# Altium PCB Archimajor.PcbDoc (part 12 of 13)
Units mil, origin at the board's own origin, x right, y up, seen from the top; angles counter-clockwise.
Board outline 7480.32 x 5511.81 mil, 6 copper layers (Top Layer, Top GND, Power Plane, Mid1, Bot GND, Bottom Layer), stack 69.913 mil thick; 1038 components, 682 nets, 3229 pads, 2870 vias.
Unrouted connection lines stored in the file: 97.
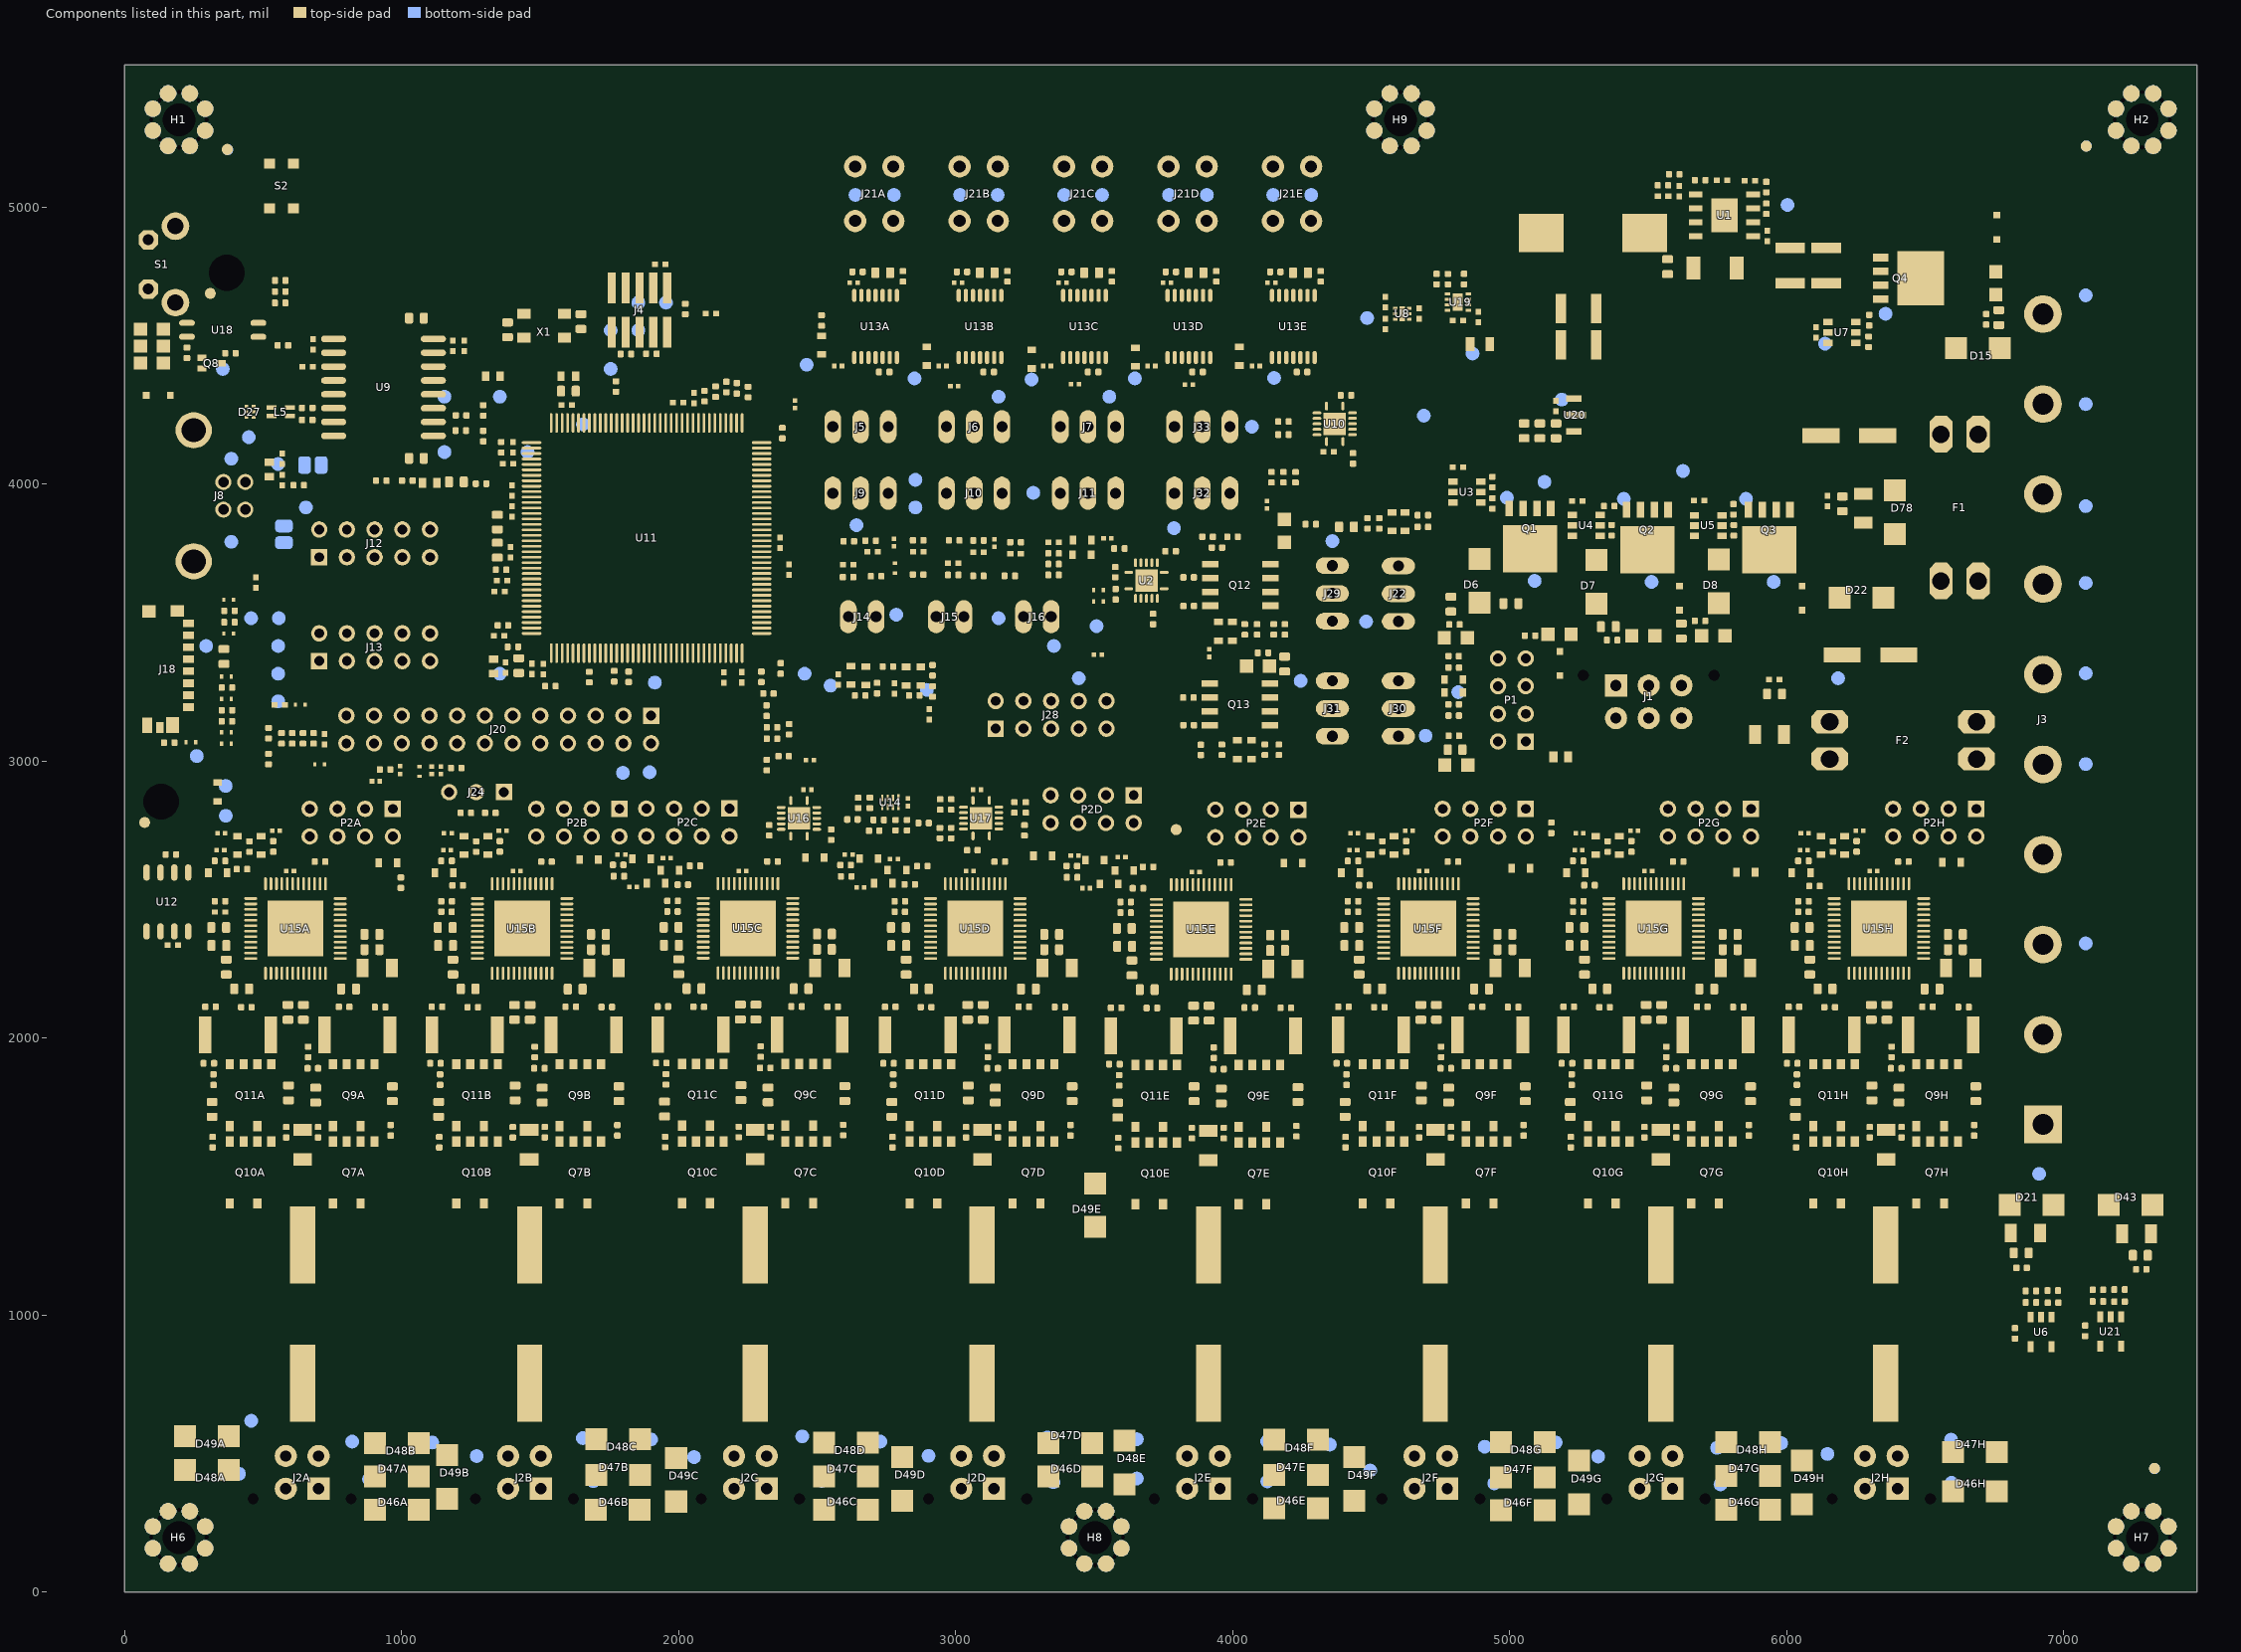
[diagram p16: the components of this part, seen from the top]

## Polygon pours and split planes (outlines as drawn) (continued)
GND on Top Layer "Direct Connect" (solid, remove dead copper, pour order 2436): 3877.01,1703.55 3877.01,1624.55 3886.03,1615.53 3935.99,1615.53 3948.01,1627.55 3948.01,1703.55 3917.01,1734.55 3908.01,1734.55
GND on Top Layer "Direct Connect" (solid, remove dead copper, pour order 2441): 608,1706.53 608,1627.53 617.02,1618.5 666.98,1618.5 679,1630.53 679,1706.53 648,1737.53 639,1737.53
GND on Top Layer "Direct Connect" (solid, remove dead copper, pour order 2433): 17 vertices, not listed, extent 573,1756.53 710,1845.53
GND on Top Layer "Direct Connect" (solid, remove dead copper, pour order 2425): 979.11,1823.53 979.11,1886.53 969.11,1896.53 954.11,1896.53 947.11,1889.53 947.11,1826.53 950.11,1823.53
VMOTA on Top Layer "Direct Connect" (solid, remove dead copper, pour order 2390): 324,2271.53 376,2271.53 386,2281.53 386,2310.53 415.25,2339.78 415.25,2348.53 361,2348.53 346,2333.53 346,2321.53 324,2299.53
VMOTE on Top Layer "Direct Connect" (solid, remove dead copper, pour order 2389): 6039.57,2271.53 6091.57,2271.53 6101.57,2281.53 6101.57,2310.53 6130.82,2339.78 6130.82,2348.53 6076.57,2348.53 6061.57,2333.53 6061.57,2321.53 6039.57,2299.53
GND on Top Layer "Direct Connect" (solid, remove dead copper, pour order 2424): 6694.68,1823.53 6694.68,1886.53 6684.68,1896.53 6669.68,1896.53 6662.68,1889.53 6662.68,1826.53 6665.68,1823.53
GND on Top Layer "Direct Connect" (solid, remove dead copper, pour order 2432): 17 vertices, not listed, extent 6288.57,1756.53 6425.57,1845.53
GND on Top Layer "Direct Connect" (solid, remove dead copper, pour order 2440): 6323.57,1706.53 6323.57,1627.53 6332.59,1618.5 6382.54,1618.5 6394.57,1630.53 6394.57,1706.53 6363.57,1737.53 6354.57,1737.53
VMOTE on Top Layer "Direct Connect" (solid, remove dead copper, pour order 2388): 5226.57,2271.53 5278.57,2271.53 5288.57,2281.53 5288.57,2310.53 5317.82,2339.78 5317.82,2348.53 5263.57,2348.53 5248.57,2333.53 5248.57,2321.53 5226.57,2299.53
GND on Top Layer "Direct Connect" (solid, remove dead copper, pour order 2423): 5881.68,1823.53 5881.68,1886.53 5871.68,1896.53 5856.68,1896.53 5849.68,1889.53 5849.68,1826.53 5852.68,1823.53
GND on Top Layer "Direct Connect" (solid, remove dead copper, pour order 2431): 17 vertices, not listed, extent 5475.57,1756.53 5612.57,1845.53
GND on Top Layer "Direct Connect" (solid, remove dead copper, pour order 2439): 5510.57,1706.53 5510.57,1627.53 5519.59,1618.5 5569.54,1618.5 5581.57,1630.53 5581.57,1706.53 5550.57,1737.53 5541.57,1737.53
VMOTE on Top Layer "Direct Connect" (solid, remove dead copper, pour order 2387): 4413.57,2271.53 4465.57,2271.53 4475.57,2281.53 4475.57,2310.53 4504.82,2339.78 4504.82,2348.53 4450.57,2348.53 4435.57,2333.53 4435.57,2321.53 4413.57,2299.53
GND on Top Layer "Direct Connect" (solid, remove dead copper, pour order 2422): 5068.68,1823.53 5068.68,1886.53 5058.68,1896.53 5043.68,1896.53 5036.68,1889.53 5036.68,1826.53 5039.68,1823.53
GND on Top Layer "Direct Connect" (solid, remove dead copper, pour order 2430): 17 vertices, not listed, extent 4662.57,1756.53 4799.57,1845.53
GND on Top Layer "Direct Connect" (solid, remove dead copper, pour order 2438): 4697.57,1706.53 4697.57,1627.53 4706.59,1618.5 4756.54,1618.5 4768.57,1630.53 4768.57,1706.53 4737.57,1737.53 4728.57,1737.53
GND on Top Layer "Direct Connect" (solid, remove dead copper, pour order 2435): 3061.74,1706.53 3061.74,1627.53 3070.76,1618.5 3120.72,1618.5 3132.74,1630.53 3132.74,1706.53 3101.74,1737.53 3092.74,1737.53
GND on Top Layer "Direct Connect" (solid, remove dead copper, pour order 2427): 17 vertices, not listed, extent 3026.74,1756.53 3163.74,1845.53
VMOTA on Top Layer "Direct Connect" (solid, remove dead copper, pour order 2384): 2777.74,2271.53 2829.74,2271.53 2839.74,2281.53 2839.74,2310.53 2868.99,2339.78 2868.99,2348.53 2814.74,2348.53 2799.74,2333.53 2799.74,2321.53 2777.74,2299.53
VMOTA on Top Layer "Direct Connect" (solid, remove dead copper, pour order 2383): 1141.91,2271.53 1193.91,2271.53 1203.91,2281.53 1203.91,2310.53 1233.16,2339.78 1233.16,2348.53 1178.91,2348.53 1163.91,2333.53 1163.91,2321.53 1141.91,2299.53
GND on Top Layer "Direct Connect" (solid, remove dead copper, pour order 2426): 17 vertices, not listed, extent 1390.91,1756.53 1527.91,1845.53
GND on Top Layer "DirectConnect" (solid, pour order 2342): 5614.12,3877.5 5614.12,3964.5 5450.12,3964.5 5450.12,3877.5 5614.12,3877.5
NetC3_2 on Top Layer "Solid" (solid, pour order 2358): 5225.56,4448.74 5225.56,4975.31 5032.65,4975.31 5032.65,4837.52 5062.17,4807.99 5062.17,4714.96 5144.85,4632.28 5144.85,4448.74
NetC1_2 on Top Layer "Solid" (solid, pour order 2357): 5576.01,4814.36 5566.12,4814.36 5558.51,4821.97 5558.51,4975.28 5567.13,4975.28 5636.98,4905.43 5696.03,4905.43 5696.03,4745 5688.16,4737.13 5631.28,4737.13
GND on Top Layer "DirectConnect" (solid, pour order 2343): 5189.12,3883.5 5029.12,3883.5 5029.12,3969.5 5190.12,3969.5 5190.12,3881.5
GND on Top Layer "Direct Connect" (solid, remove dead copper, pour order 2365): 154.53,3186.53 154.53,3115 178,3091.53 254,3091.53 260,3097.53 260,3107.53 181,3186.53
GND on Top Layer "Direct Connect" (solid, remove dead copper, pour order 2366): 78,3016.53 90,3004.53 105,3004.53 116,3015.53 116,3141.98 78,3141.98
GND on Bottom Layer "Direct Connect" (solid, remove dead copper, pour order 2578): 4281.81,2090.55 4281.81,2618.9 4273.37,2627.34 3510.15,2627.34 3486.53,2603.72 3486.53,2090.55
VFAN on Bottom Layer "24milConnect" (solid, remove dead copper, pour order 2597): 5093.45,2996.66 5122.75,3025.96 5122.75,3190.33 5095.19,3217.89 4850.11,3217.89 4788.11,3279.9 4788.11,3699.19 4710.35,3776.94 4323.54,3776.94 4261.53,3714.94 4261.53,3079.11 4345.01,2995.63
GND on Bottom Layer "Direct Connect" (solid, remove dead copper, pour order 2584): 1012.79,2090.55 1012.79,2580.12 962.6,2630.31 241.14,2630.31 217.52,2606.69 217.52,2090.55
GND on Bottom Layer "Direct Connect" (solid, remove dead copper, pour order 2583): 1830.71,2090.55 1830.71,2580.12 1780.51,2630.31 1059.05,2630.31 1035.43,2606.69 1035.43,2090.55
GND on Bottom Layer "Direct Connect" (solid, remove dead copper, pour order 2582): 6728.36,2090.55 6728.36,2580.12 6678.16,2630.31 5956.71,2630.31 5933.09,2606.69 5933.09,2090.55
GND on Bottom Layer "Direct Connect" (solid, remove dead copper, pour order 2581): 5915.36,2090.55 5915.36,2580.12 5865.16,2630.31 5143.71,2630.31 5120.09,2606.69 5120.09,2090.55
GND on Bottom Layer "Direct Connect" (solid, remove dead copper, pour order 2580): 5102.36,2090.55 5102.36,2580.12 5052.16,2630.31 4330.71,2630.31 4307.09,2606.69 4307.09,2090.55
GND on Bottom Layer "Direct Connect" (solid, remove dead copper, pour order 2579): 3466.53,2090.55 3466.53,2595.56 3405.23,2656.87 2721.43,2656.87 2671.26,2606.69 2671.26,2090.55
GND on Bottom Layer "Direct Connect" (solid, remove dead copper, pour order 2577): 2645.98,2090.55 2645.98,2507.68 2522.38,2631.27 1874.33,2631.27 1850.7,2607.65 1850.7,2090.55
VMOTA on Bottom Layer "Direct Connect" (solid, remove dead copper, pour order 2585): 30 vertices, not listed, extent 215.55,581.1 7381.89,2529.92
OBBH on Bottom Layer "Direct Connect" (solid, remove dead copper, pour order 2567): 6538.84,2051.71 6517.72,2072.83 6384.19,2072.83 6361.28,2049.92 6361.28,1602.72 6370.09,1593.9 6527.57,1593.9 6538.84,1605.16
OAAH on Bottom Layer "Direct Connect" (solid, remove dead copper, pour order 2559): 6174.81,2049.81 6197.83,2072.83 6334.65,2072.83 6352.38,2055.1 6352.38,1605.71 6340.57,1593.9 6184.07,1593.9 6174.81,1603.16
VMOTE on Bottom Layer "Direct Connect" (solid, remove dead copper, pour order 2586): 6988.19,1497.52 7116.72,1626.05 7116.72,1808.57 7098.46,1826.83 6958.14,1826.83 6854.4,1826.83 6634.26,1606.69 3619.09,1606.69 3565.17,1552.77 3565.17,1312.4 3710.84,1166.73 6728.35,1166.73 6988.19,1426.57
VBED on Bottom Layer "DirectConnect" (solid, remove dead copper, pour order 2662): 19 vertices, not listed, extent 6125.34,3941.87 7098,4437.95
GND on Bottom Layer "DirectConnect" (solid, remove dead copper, pour order 2656): 6781.32,3874.53 6809.4,3846.45 7054.32,3846.45 7090.2,3882.33 7090.2,4069.53 7052.76,4106.97 6820.32,4106.97 6781.32,4067.97
GND on Bottom Layer "DirectConnect" (solid, remove dead copper, pour order 2652): 6781.32,1923.75 6809.4,1895.67 7054.32,1895.67 7090.2,1931.55 7090.2,2118.75 7052.76,2156.19 6820.32,2156.19 6781.32,2117.19
GND on Bottom Layer "DirectConnect" (solid, remove dead copper, pour order 2646): 6781.32,2573.75 6809.4,2545.67 7054.32,2545.67 7090.2,2581.55 7090.2,2768.75 7052.76,2806.19 6820.32,2806.19 6781.32,2767.19
VBED_IN on Bottom Layer "NetF1_1 Fuse Top Pour" (solid, remove dead copper, pour order 2644): 6411.6,3686.81 6411.6,3553.43 6456.06,3508.97 7098.78,3508.97 7148.7,3558.89 7148.7,3768.71 7116.72,3800.69 6466.2,3800.69 6412.38,3746.87
GND on Bottom Layer "DirectConnect" (solid, remove dead copper, pour order 2640): 6310.98,3246.11 6801.6,3246.11 6890.52,3157.19 7041.06,3157.19 7137.78,3253.91 7137.78,3461.39 7114.38,3484.79 6804.72,3484.79 6310.98,3484.79
VPWR on Bottom Layer "DirectConnect" (solid, remove dead copper, pour order 2638): 6269.64,2924.75 6442.02,3097.13 6442.02,3290.57 6359.34,3290.57 6299.28,3350.63 6299.28,3425.51 6267.3,3457.49 6138.6,3457.49 6094.92,3413.81 6094.92,3345.95 6087.12,3338.15 5993.52,3338.15 5969.34,3313.97 5969.34,3007.43 6052.02,2924.75
VPWR_IN on Bottom Layer "DirectConnect" (solid, remove dead copper, pour order 2636): 6566.82,3179.03 6623.76,3235.97 6782.88,3235.97 6881.16,3137.69 7049.64,3137.69 7089.42,3097.91 7089.42,2873.27 7042.62,2826.47 6814.08,2826.47 6725.16,2915.39 6587.1,2915.39 6566.82,2935.67
HTR3 on Bottom Layer "DirectConnect" (solid, remove dead copper, pour order 2603): 5702.48,3493.43 5702.48,3474.78 5605.03,3377.34 5605.03,3256.27 5792.04,3256.27 6030.23,3494.46
HTR2 on Bottom Layer "DirectConnect" (solid, remove dead copper, pour order 2605): 5366.85,3422.61 5467.24,3322.22 5467.24,3272.02 5536.14,3272.02 5536.14,3328.13 5647.12,3439.11 5647.12,3604.7 5420,3604.7 5366.85,3551.55
HTR1 on Bottom Layer "Direct Connect" (solid, remove dead copper, pour order 2602): 5237.88,3535.83 5415.07,3358.64 5415.07,3245.45 5162.15,3245.45 5137.51,3270.08 5137.51,3421.63 5023.43,3535.71
HTBD-OUT on Bottom Layer "DirectConnect" (solid, pour order 2332): 6383,4402.97 6770.73,4402.97 6771.27,4403.55 6840.77,4473.05 7039.5,4473.05 7079.28,4512.83 7079.28,4774.91 6904.22,4949.97 6404,4949.97 6401,4946.97 6383,4928.97
HTR2 on Bottom Layer "DirectConnect" (solid, pour order 2334): 5259.12,3871.5 5259.12,3521.5 5647.12,3521.5 5647.12,3870.5 5647.12,3871.5
HTR1 on Bottom Layer "DirectConnect" (solid, pour order 2335): 4836.12,3875.5 4836.12,3461.98 5239.12,3461.98 5239.12,3875.5
SNTP on Bottom Layer "DirectConnect" (solid, pour order 2326): 4325.79,4257.6 4325.79,4168.66 4414.73,4168.66 4414.73,4257.6
OBAC on Bottom Layer "Direct Connect" (solid, remove dead copper, pour order 2572): 2464.92,2054.39 2483.36,2072.83 2631.89,2072.83 2650.9,2053.82 2650.9,1607.65 2638.11,1594.86 2476.69,1594.86 2464.92,1606.63
OBAB on Bottom Layer "Direct Connect" (solid, remove dead copper, pour order 2569): 1649.65,2056.97 1665.51,2072.83 1822.84,2072.83 1835.63,2060.04 1835.63,1606.69 1822.83,1593.9 1661.42,1593.9 1649.65,1605.67
OBBC on Bottom Layer "Direct Connect" (solid, remove dead copper, pour order 2564): 2456.46,2055.07 2438.7,2072.83 2297.24,2072.83 2278.89,2054.48 2278.89,1603.68 2287.71,1594.86 2445.19,1594.86 2456.46,1606.12
OBBB on Bottom Layer "Direct Connect" (solid, remove dead copper, pour order 2561): 1641.19,2057.65 1626,2072.83 1483.27,2072.83 1463.62,2053.19 1463.62,1602.72 1472.44,1593.9 1629.92,1593.9 1641.19,1605.16
OAAC on Bottom Layer "Direct Connect" (solid, remove dead copper, pour order 2556): 2092.43,2057.98 2107.28,2072.83 2255.38,2072.83 2270,2058.22 2270,1606.67 2258.18,1594.86 2101.69,1594.86 2092.43,1604.12
OAAB on Bottom Layer "Direct Connect" (solid, remove dead copper, pour order 2553): 1277.16,2054.72 1295.28,2072.83 1433.07,2072.83 1454.72,2051.18 1454.72,1605.71 1442.91,1593.9 1286.42,1593.9 1277.16,1603.16
OABC on Bottom Layer "Direct Connect" (solid, remove dead copper, pour order 2548): 2083.97,2055.79 2066.93,2072.83 1862.2,2072.83 1841.85,2052.48 1841.85,1600.76 1847.75,1594.86 2075.11,1594.86 2083.97,1603.72
OABB on Bottom Layer "Direct Connect" (solid, remove dead copper, pour order 2545): 1268.7,2051.18 1247.05,2072.83 1043.31,2072.83 1026.57,2056.1 1026.57,1599.8 1032.48,1593.9 1259.84,1593.9 1268.7,1602.76
OAAE on Bottom Layer "Direct Connect" (solid, remove dead copper, pour order 2555): 3728.26,2059.95 3741.14,2072.83 3896.66,2072.83 3905.82,2063.67 3905.82,1602.73 3894.01,1590.92 3737.51,1590.92 3728.26,1600.18
OBAE on Bottom Layer "Direct Connect" (solid, remove dead copper, pour order 2571): 4100.74,2058.42 4115.15,2072.83 4271.66,2072.83 4286.73,2057.76 4286.73,1603.72 4273.93,1590.92 4112.51,1590.92 4100.74,1602.69
OBAD on Bottom Layer "Direct Connect" (solid, remove dead copper, pour order 2570): 3285.47,2057.26 3301.05,2072.83 3449.81,2072.83 3471.46,2051.18 3471.46,1606.69 3458.66,1593.9 3297.24,1593.9 3285.47,1605.67
OBBE on Bottom Layer "Direct Connect" (solid, remove dead copper, pour order 2563): 4092.29,2058.3 4077.76,2072.83 3930.35,2072.83 3914.72,2057.2 3914.72,1599.74 3923.54,1590.92 4081.02,1590.92 4092.29,1602.19
OABE on Bottom Layer "Direct Connect" (solid, remove dead copper, pour order 2547): 3719.8,2057.76 3704.73,2072.83 3497.04,2072.83 3477.67,2053.46 3477.67,1596.83 3483.58,1590.92 3710.94,1590.92 3719.8,1599.78
OABD on Bottom Layer "Direct Connect" (solid, remove dead copper, pour order 2546): 2904.53,2044.29 2875.98,2072.83 2680.77,2072.83 2662.4,2054.47 2662.4,1599.8 2668.31,1593.9 2895.67,1593.9 2904.53,1602.76
OBAA on Bottom Layer "Direct Connect" (solid, remove dead copper, pour order 2576): 831.73,2060.08 844.49,2072.84 1001.97,2072.83 1017.72,2057.09 1017.72,1606.69 1004.92,1593.9 843.5,1593.9 831.73,1605.67
OABA on Bottom Layer "Direct Connect" (solid, remove dead copper, pour order 2552): 450.79,2051.18 429.13,2072.83 256.89,2072.83 208.66,2024.61 208.66,1599.8 214.57,1593.9 441.93,1593.9 450.79,1602.76
OBBA on Bottom Layer "Direct Connect" (solid, remove dead copper, pour order 2568): 823.27,2055.66 806.1,2072.84 667.32,2072.83 645.71,2051.22 645.71,1602.72 654.53,1593.9 812.01,1593.9 823.27,1605.16
OAAA on Bottom Layer "Direct Connect" (solid, remove dead copper, pour order 2560): 459.24,2052.75 479.33,2072.83 624.02,2072.83 636.81,2060.04 636.81,1605.71 625,1593.9 468.5,1593.9 459.24,1603.16
OABH on Bottom Layer "Direct Connect" (solid, remove dead copper, pour order 2551): 6166.35,2054.12 6147.64,2072.83 5945.86,2072.83 5924.23,2051.2 5924.23,1599.8 5930.13,1593.9 6157.5,1593.9 6166.35,1602.76
OBAH on Bottom Layer "Direct Connect" (solid, remove dead copper, pour order 2575): 6733.28,1733.27 6758.86,1758.84 6758.86,2047.24 6733.28,2072.83 6567.13,2072.83 6547.3,2053 6547.3,1605.67 6559.07,1593.9 6646.93,1593.9 6733.28,1680.25
OAAG on Bottom Layer "Direct Connect" (solid, remove dead copper, pour order 2558): 5361.81,2056.19 5378.45,2072.83 5519.69,2072.83 5539.38,2053.14 5539.38,1605.71 5527.57,1593.9 5371.07,1593.9 5361.81,1603.16
OBBG on Bottom Layer "Direct Connect" (solid, remove dead copper, pour order 2566): 5725.84,2052.7 5705.71,2072.83 5568.14,2072.83 5548.27,2052.97 5548.28,1602.72 5557.09,1593.9 5714.57,1593.9 5725.84,1605.16
OABG on Bottom Layer "Direct Connect" (solid, remove dead copper, pour order 2550): 5353.35,2052.16 5332.68,2072.83 5137.79,2072.83 5111.23,2046.27 5111.23,1599.8 5117.13,1593.9 5344.5,1593.9 5353.35,1602.76
OBAG on Bottom Layer "Direct Connect" (solid, remove dead copper, pour order 2574): 5734.3,2044.91 5762.21,2072.83 5898.63,2072.83 5920.28,2051.17 5920.28,1606.69 5907.49,1593.9 5746.07,1593.9 5734.3,1605.67
OAAF on Bottom Layer "Direct Connect" (solid, remove dead copper, pour order 2557): 4548.81,2053.73 4567.91,2072.83 4704.73,2072.83 4726.38,2051.18 4726.38,1605.71 4714.57,1593.9 4558.07,1593.9 4548.81,1603.16
OBBF on Bottom Layer "Direct Connect" (solid, remove dead copper, pour order 2565): 4912.84,2050.74 4890.75,2072.83 4756.84,2072.83 4735.28,2051.26 4735.28,1602.72 4744.09,1593.9 4901.57,1593.9 4912.84,1605.16
OABF on Bottom Layer "Direct Connect" (solid, remove dead copper, pour order 2549): 4540.35,2050.2 4517.72,2072.83 4318.89,2072.83 4298.23,2052.16 4298.23,1599.8 4304.13,1593.9 4531.5,1593.9 4540.35,1602.76
OBAF on Bottom Layer "Direct Connect" (solid, remove dead copper, pour order 2573): 4921.3,2051.22 4942.91,2072.83 5085.64,2072.83 5107.28,2051.18 5107.28,1606.69 5094.49,1593.9 4933.07,1593.9 4921.3,1605.67
OBBD on Bottom Layer "Direct Connect" (solid, remove dead copper, pour order 2562): 3277.02,2052.12 3256.3,2072.83 3118.8,2072.83 3099.45,2053.48 3099.45,1602.72 3108.27,1593.9 3265.75,1593.9 3277.02,1605.16
OAAD on Bottom Layer "Direct Connect" (solid, remove dead copper, pour order 2554): 2912.98,2046.84 2938.98,2072.83 3065.95,2072.83 3090.55,2048.23 3090.55,1605.71 3078.74,1593.9 2922.24,1593.9 2912.98,1603.16
HTR3 on Bottom Layer "DirectConnect" (solid, pour order 2333): 6086.11,3871.5 5880.11,3871.5 5825.11,3926.5 5700.11,3926.5 5700.11,3468.87 6086.11,3468.87
GND on Bottom Layer "DirectConnect" (solid, pour order 2340): 6032.92,3877.5 5890.11,3877.5 5890.11,3965.5 6032.92,3965.5
GND on Bottom Layer "DirectConnect" (solid, pour order 2338): 5191.12,3883.5 5026.12,3883.5 5026.12,3971.5 5192.12,3971.5 5192.12,3883.5
GND on Bottom Layer "DirectConnect" (solid, pour order 2339): 5593.14,3877.5 5449.12,3877.5 5449.12,3965.5 5593.14,3965.5
GND on Bottom Layer "DirectConnect" (solid, pour order 2336): 6370.37,4926.11 6279.37,4926.11 6279.37,4689.46 6370.37,4689.46
HTBD-OUT on Mid1 "12milConnect" (solid, remove dead copper, pour order 2688): 6802.7,4473.83 7040.28,4473.83 7077.47,4511.02 7077.48,4774.53 6903.04,4948.97 6803.85,4948.97
VPWR on Mid1 "DirectConnect" (solid, remove dead copper, pour order 2686): 6269.64,2924.75 6442.02,3097.13 6442.02,3290.57 6359.34,3290.57 6299.28,3350.63 6299.28,3425.51 6267.3,3457.49 6138.6,3457.49 6094.92,3413.81 6094.92,3345.95 6087.12,3338.15 5993.52,3338.15 5969.34,3313.97 5969.34,3007.43 6052.02,2924.75
GND on Mid1 "DirectConnect" (solid, remove dead copper, pour order 2684): 6310.98,3246.11 6801.6,3246.11 6890.52,3157.19 7041.06,3157.19 7137.78,3253.91 7137.78,3461.39 7114.38,3484.79 6804.72,3484.79 6310.98,3484.79
VPWR_IN on Mid1 "DirectConnect" (solid, remove dead copper, pour order 2682): 6566.82,3179.03 6623.76,3235.97 6782.88,3235.97 6881.16,3137.69 7049.64,3137.69 7089.42,3097.91 7089.42,2873.27 7042.62,2826.47 6814.08,2826.47 6725.16,2915.39 6587.1,2915.39 6566.82,2935.67
VBED_IN on Mid1 "NetF1_1 Fuse Top Pour" (solid, remove dead copper, pour order 2680): 6411.6,3686.81 6411.6,3553.43 6456.06,3508.97 7098.78,3508.97 7148.7,3558.89 7148.7,3768.71 7116.72,3800.69 6466.2,3800.69 6412.38,3746.87
GND on Mid1 "DirectConnect" (solid, remove dead copper, pour order 2676): 6789.9,3862.05 6805.5,3846.45 7065.24,3846.45 7090.2,3871.41 7090.2,4085.91 7062.9,4113.21 6804.72,4113.21 6789.9,4098.39
VBED on Mid1 "DirectConnect" (solid, remove dead copper, pour order 2674): 18 vertices, not listed, extent 6125.34,3941.87 7098,4437.95
GND on Mid1 "DirectConnect" (solid, remove dead copper, pour order 2672): 6126.9,3919.25 6137.04,3929.39 6474,3929.39 6570.72,4026.11 6723.6,4026.11 6794.58,4097.09 6803.94,4087.73 6803.94,3884.93 6827.34,3861.53 6827.34,3852.17 6799.26,3824.09 6466.2,3824.09 6410.04,3767.93 6261.06,3767.93 6126.9,3902.09
HTBD-OUT on Mid1 "DirectConnect" (solid, pour order 2353): 6401,4948.97 6401,4906.97 6401,4622.06 6388.88,4605.97 6388.88,4403.97 6811.73,4403.97 6811.73,4948.97 6426,4948.97